# Altium PCB vme64x6U_ctrlc.PcbDoc (part 11 of 16) (continued)
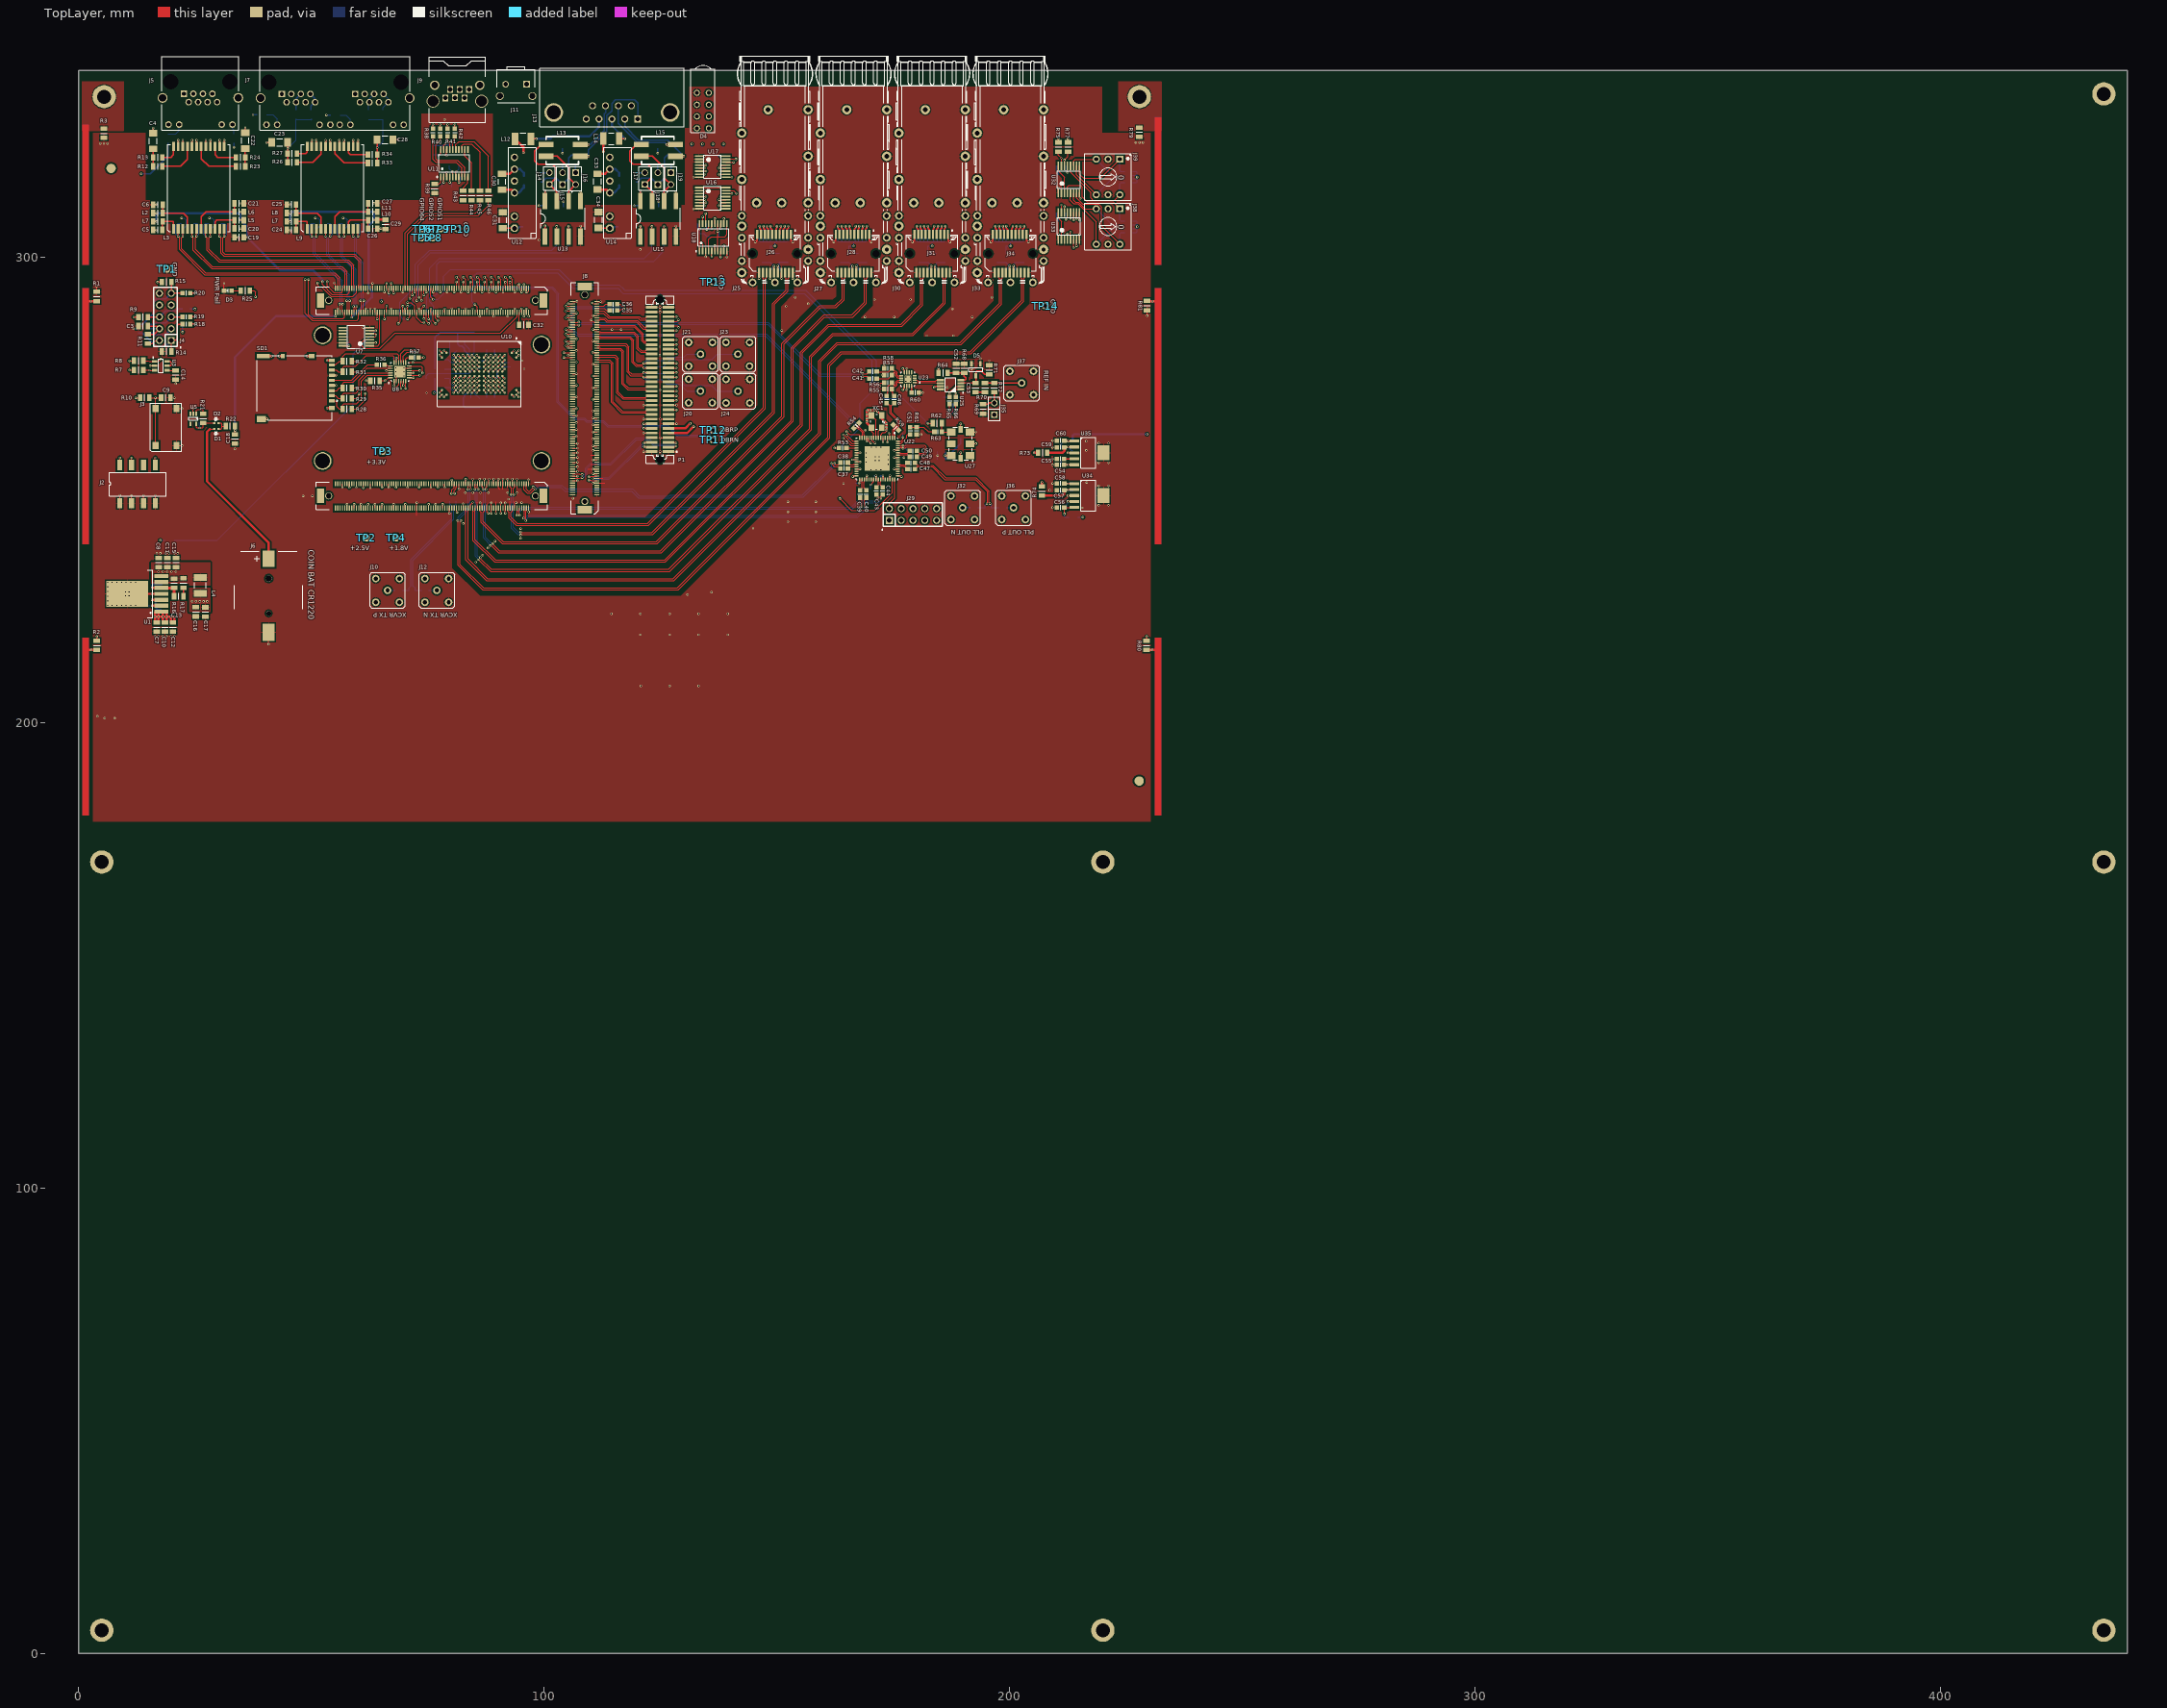
[diagram p0: TopLayer view]
## Design rules (kind name [scope] priority, off if disabled: settings) (continued)
DiffPairsRouting "Schematic Differential Pairs Routing_68" [InNet('ETH0_J2_P')] p924: maxlimit=0.254 minlimit=0.075 mostfreqgap=0.254 toplayer_minwidth=0.075 toplayer_maxwidth=0.5 toplayer_prefwidth=0.3 midlayer3_minwidth=0.075 midlayer3_maxwidth=0.5 midlayer3_prefwidth=0.3 midlayer4_minwidth=0.075 midlayer4_maxwidth=0.5 midlayer4_prefwidth=0.3 bottomlayer_minwidth=0.075 bottomlayer_maxwidth=0.5 bottomlayer_prefwidth=0.3 maxuncoupledlength=12.7
DiffPairsRouting "Schematic Differential Pairs Routing_67" [InNet('ETH0_J3_N')] p925: maxlimit=0.254 minlimit=0.075 mostfreqgap=0.254 toplayer_minwidth=0.075 toplayer_maxwidth=0.5 toplayer_prefwidth=0.3 midlayer3_minwidth=0.075 midlayer3_maxwidth=0.5 midlayer3_prefwidth=0.3 midlayer4_minwidth=0.075 midlayer4_maxwidth=0.5 midlayer4_prefwidth=0.3 bottomlayer_minwidth=0.075 bottomlayer_maxwidth=0.5 bottomlayer_prefwidth=0.3 maxuncoupledlength=12.7
DiffPairsRouting "Schematic Differential Pairs Routing_66" [InNet('ETH0_J3_P')] p926: maxlimit=0.254 minlimit=0.075 mostfreqgap=0.254 toplayer_minwidth=0.075 toplayer_maxwidth=0.5 toplayer_prefwidth=0.3 midlayer3_minwidth=0.075 midlayer3_maxwidth=0.5 midlayer3_prefwidth=0.3 midlayer4_minwidth=0.075 midlayer4_maxwidth=0.5 midlayer4_prefwidth=0.3 bottomlayer_minwidth=0.075 bottomlayer_maxwidth=0.5 bottomlayer_prefwidth=0.3 maxuncoupledlength=12.7
DiffPairsRouting "Schematic Differential Pairs Routing_65" [InNet('ETH0_J4_N')] p927: maxlimit=0.254 minlimit=0.075 mostfreqgap=0.254 toplayer_minwidth=0.075 toplayer_maxwidth=0.5 toplayer_prefwidth=0.3 midlayer3_minwidth=0.075 midlayer3_maxwidth=0.5 midlayer3_prefwidth=0.3 midlayer4_minwidth=0.075 midlayer4_maxwidth=0.5 midlayer4_prefwidth=0.3 bottomlayer_minwidth=0.075 bottomlayer_maxwidth=0.5 bottomlayer_prefwidth=0.3 maxuncoupledlength=12.7
DiffPairsRouting "Schematic Differential Pairs Routing_64" [InNet('ETH0_J4_P')] p928: maxlimit=0.254 minlimit=0.075 mostfreqgap=0.254 toplayer_minwidth=0.075 toplayer_maxwidth=0.5 toplayer_prefwidth=0.3 midlayer3_minwidth=0.075 midlayer3_maxwidth=0.5 midlayer3_prefwidth=0.3 midlayer4_minwidth=0.075 midlayer4_maxwidth=0.5 midlayer4_prefwidth=0.3 bottomlayer_minwidth=0.075 bottomlayer_maxwidth=0.5 bottomlayer_prefwidth=0.3 maxuncoupledlength=12.7
DiffPairsRouting "Schematic Differential Pairs Routing_42" [InNet('SFP_RX_0.IO_P')] p929: maxlimit=0.5 minlimit=0.075 mostfreqgap=0.254 toplayer_prefgap=0.175 toplayer_minwidth=0.075 toplayer_maxwidth=0.5 toplayer_prefwidth=0.25 midlayer3_maxgap=0.254 midlayer3_minwidth=0.075 midlayer3_maxwidth=0.5 midlayer3_prefwidth=0.25 midlayer4_maxgap=0.254 midlayer4_minwidth=0.075 midlayer4_maxwidth=0.5 midlayer4_prefwidth=0.25 bottomlayer_prefgap=0.175 bottomlayer_minwidth=0.075 bottomlayer_maxwidth=0.5 bottomlayer_prefwidth=0.25 maxuncoupledlength=12.7
DiffPairsRouting "Schematic Differential Pairs Routing_7" [InNet('GTP_REF0.IO_N')] p930: maxlimit=0.5 minlimit=0.075 mostfreqgap=0.4 toplayer_minwidth=0.075 toplayer_maxwidth=0.5 toplayer_prefwidth=0.3 midlayer3_maxgap=0.254 midlayer3_prefgap=0.254 midlayer3_minwidth=0.075 midlayer3_maxwidth=0.5 midlayer3_prefwidth=0.3 midlayer4_maxgap=0.254 midlayer4_prefgap=0.254 midlayer4_minwidth=0.075 midlayer4_maxwidth=0.5 midlayer4_prefwidth=0.3 bottomlayer_minwidth=0.075 bottomlayer_maxwidth=0.5 bottomlayer_prefwidth=0.3 maxuncoupledlength=12.7
DiffPairsRouting "Schematic Differential Pairs Routing_6" [InNet('GTP_REF0.IO_P')] p931: maxlimit=0.5 minlimit=0.075 mostfreqgap=0.4 toplayer_minwidth=0.075 toplayer_maxwidth=0.5 toplayer_prefwidth=0.3 midlayer3_maxgap=0.254 midlayer3_prefgap=0.254 midlayer3_minwidth=0.075 midlayer3_maxwidth=0.5 midlayer3_prefwidth=0.3 midlayer4_maxgap=0.254 midlayer4_prefgap=0.254 midlayer4_minwidth=0.075 midlayer4_maxwidth=0.5 midlayer4_prefwidth=0.3 bottomlayer_minwidth=0.075 bottomlayer_maxwidth=0.5 bottomlayer_prefwidth=0.3 maxuncoupledlength=12.7
DiffPairsRouting "Schematic Differential Pairs Routing" [InNet('ZDO_P')] p932: maxlimit=0.5 minlimit=0.075 mostfreqgap=0.254 toplayer_prefgap=0.175 toplayer_minwidth=0.075 toplayer_maxwidth=0.5 toplayer_prefwidth=0.15 midlayer3_maxgap=0.254 midlayer3_minwidth=0.075 midlayer3_maxwidth=0.5 midlayer3_prefwidth=0.3 midlayer4_maxgap=0.254 midlayer4_minwidth=0.075 midlayer4_maxwidth=0.5 midlayer4_prefwidth=0.3 bottomlayer_prefgap=0.175 bottomlayer_minwidth=0.075 bottomlayer_maxwidth=0.5 bottomlayer_prefwidth=0.15 maxuncoupledlength=12.7
DiffPairsRouting [All] p933: maxlimit=0.5 minlimit=0.075 mostfreqgap=0.15 toplayer_minwidth=0.075 toplayer_maxwidth=0.5 toplayer_prefwidth=0.25 midlayer3_minwidth=0.075 midlayer3_maxwidth=0.5 midlayer3_prefwidth=0.25 midlayer4_minwidth=0.075 midlayer4_maxwidth=0.5 midlayer4_prefwidth=0.25 bottomlayer_minwidth=0.075 bottomlayer_maxwidth=0.5 bottomlayer_prefwidth=0.25 maxuncoupledlength=12.7
FabricationTestPointUsage TestPointUsage [All] p1: valid=0 allowmultiple=FALSE
FabricationTestpoint Testpoint [All] p1: side=3 testpointundercomponent=TRUE minsize=1.016 maxsize=2.54 preferedsize=1.524 minholesize=0.508 maxholesize=1.016 preferedholesize=0.813 testpointgrid=0.025 allowsidetop=TRUE allowsidebottom=TRUE usegrid=TRUE gridtolerance=0
HoleSize [All] p1: absolutevalues=TRUE maxlimit=70 minlimit=0.2 maxpercent=80.000 minpercent=20.000
MinimumSolderMaskSliver [All] p1: minsoldermaskwidth=0.1
NetAntennae NetAntennae_1 [InNetClass('EMMC_RFU')] p1: netantennaetolerance=4
NetAntennae [All] p2: netantennaetolerance=0
PlaneClearance PlaneClearance_1 [WithinRoom('U_fpga_cyc10lp')] p1: clearance=0.2
PlaneClearance [All] p2: clearance=0.25
PlaneConnect PlaneConnect_1 [isVia] p1: planeconnectstyle=Direct reliefexpansion=0.508 reliefentries=4 reliefconductorwidth=0.254 reliefairgap=0.254
PlaneConnect [All] p2: planeconnectstyle=Relief reliefexpansion=0.5 reliefentries=4 reliefconductorwidth=0.25 reliefairgap=0.15
PolygonConnect [isVia] p1: connectstyle=Direct reliefconductorwidth=0.2 reliefentries=4 polygonreliefangle="90 Angle" airgapwidth=0.254
PolygonConnect PolygonConnect_2 [InNet('GND') or InNet('CAN_GND')] p2: connectstyle=Relief reliefconductorwidth=0.25 reliefentries=4 polygonreliefangle="90 Angle" airgapwidth=0.25
PolygonConnect PolygonConnect_1 [All] p3: connectstyle=Relief reliefconductorwidth=0.25 reliefentries=4 polygonreliefangle="90 Angle" airgapwidth=0.15
RoomDefinition S_DCDC [InComponentClass('S_DCDC')] p1: confinementstyle=ConfineIn formatcopy=TRUE lockcomponents=FALSE outline -1941.551,-3228.1 2244.425,-3228.1 -1941.551,-3228.1
RoomDefinition i_DCDC [InComponentClass('i_DCDC')] p2: confinementstyle=ConfineIn formatcopy=TRUE lockcomponents=FALSE outline -1941.551,-3228.1 2244.425,-3228.1 -1941.551,-3228.1
RoomDefinition U_power_REG104GA_3V3 [InComponentClass('U_power_REG104GA_3V3')] p3: confinementstyle=ConfineIn formatcopy=TRUE lockcomponents=FALSE outline 208.475,252.725 222.05,252.725 222.05,262.05 208.475,262.05
RoomDefinition U_power_REG104GA_1V8 [InComponentClass('U_power_REG104GA_1V8')] p4: confinementstyle=ConfineIn formatcopy=TRUE lockcomponents=FALSE outline 208.523,244.75 222.05,244.75 222.05,252.725 208.523,252.725
RoomDefinition U_Si5395_CLK_GEN [InComponentClass('U_Si5395_CLK_GEN')] p5: confinementstyle=ConfineIn formatcopy=TRUE lockcomponents=FALSE outline 161.25,278.45 161.25,240.95 207.175,240.95 207.175,278.45
RoomDefinition U_SFPplusConn_3 [InComponentClass('U_SFPplusConn_3')] p6: confinementstyle=ConfineIn formatcopy=TRUE lockcomponents=FALSE outline 191.75,278.625 208.625,278.625 208.625,343.325 191.75,343.325
RoomDefinition U_SFPplusConn_2 [InComponentClass('U_SFPplusConn_2')] p7: confinementstyle=ConfineIn formatcopy=TRUE lockcomponents=FALSE outline 174.875,278.625 191.75,278.625 191.75,343.325 174.875,343.325
RoomDefinition U_SFPplusConn_1 [InComponentClass('U_SFPplusConn_1')] p8: confinementstyle=ConfineIn formatcopy=TRUE lockcomponents=FALSE outline 158,278.425 174.875,278.425 174.875,343.325 158,343.325
RoomDefinition U_SFPplusConn_0 [InComponentClass('U_SFPplusConn_0')] p9: confinementstyle=ConfineIn formatcopy=TRUE lockcomponents=FALSE outline 141.125,278.425 158,278.425 158,343.325 141.125,343.325
RoomDefinition U_Power_3V3_LDO [InComponentClass('U_Power_3V3_LDO')] p10: confinementstyle=ConfineIn formatcopy=TRUE lockcomponents=FALSE outline 27.925,263.1 27.925,267.475 23.175,267.475 23.175,263.1
RoomDefinition 3V3_POWER [InComponentClass('3V3_POWER')] p11: confinementstyle=ConfineIn formatcopy=TRUE lockcomponents=FALSE outline 3.585,218.31 29.91,218.31 29.91,241.075 3.585,241.075
RoomDefinition U_can_phy2 [InComponentClass('U_can_phy2')] p12: confinementstyle=ConfineIn formatcopy=TRUE lockcomponents=FALSE outline 109.55,300.325 130.025,300.325 130.025,327.475 109.55,327.475
RoomDefinition U_can_phy1 [InComponentClass('U_can_phy1')] p13: confinementstyle=ConfineIn formatcopy=TRUE lockcomponents=FALSE outline 89.075,300.325 109.55,300.325 109.55,327.475 89.075,327.475
RoomDefinition U_sdcard_emmc [InComponentClass('U_sdcard_emmc')] p14: confinementstyle=ConfineIn formatcopy=TRUE lockcomponents=FALSE outline 37.825,264.3 96.45,264.3 96.45,284.1 37.825,284.1
RoomDefinition U_uart_adm3222 [InComponentClass('U_uart_adm3222')] p15: confinementstyle=ConfineIn formatcopy=TRUE lockcomponents=FALSE outline 74.035,310.81 89.125,310.81 89.125,343.435 74.035,343.435
RoomDefinition U_ethernet_dual_100mbe_ext_magn [InComponentClass('U_ethernet_dual_100mbe_ext_magn')] p16: confinementstyle=ConfineIn formatcopy=TRUE lockcomponents=FALSE outline 37.21,302.435 72.985,302.435 72.985,344.41 37.21,344.41
RoomDefinition U_ethernet_1gbe_ext_magn [InComponentClass('U_ethernet_1gbe_ext_magn')] p17: confinementstyle=ConfineIn formatcopy=TRUE lockcomponents=FALSE outline 14.635,302.56 37.16,302.56 37.16,344.41 14.635,344.41
RoutingCorners [All] p1: cornerstyle=45-Degree minsetback=0.5 maxsetback=0.5
RoutingVias RoutingVias_2 [WithinRoom('U_fpga_cyc10lp')] p1: holewidth=0.2 width=0.4 viastyle="Through Hole" minholewidth=0.2 minwidth=0.4 maxholewidth=1 maxwidth=1.2
RoutingVias [All] p2 off: holewidth=0.711 width=1.27 viastyle="Through Hole" minholewidth=0.711 minwidth=1.27 maxholewidth=0.711 maxwidth=1.27
RoutingVias RoutingVias_1 [All] p3: holewidth=0.4 width=0.8 viastyle="Through Hole" minholewidth=0.1 minwidth=0.2 maxholewidth=70 maxwidth=100
SilkToSilkClearance [All] p1: silktosilkclearance=0
SilkToSolderMaskClearance SilkscreenOverComponentPads [IsPad] p1: minsilkscreentomaskgap=0.05 clearancetoexposedcopper=TRUE
SolderMaskExpansion [All] p1: expansion=0.05
Width Width_2 [WithinRoom('U_fpga_cyc10lp')] p1: maxlimit=1 minlimit=0.1 preferedwidth=0.1
Width [All] p2 off: maxlimit=0.254 minlimit=0.254 preferedwidth=0.254
Width Width_1 [All] p3: maxlimit=5 minlimit=0.15 preferedwidth=0.3
18 further rules are at their usual default settings.

## Classes and differential pairs
channel class DCP: DCP_D+ DCP_D- DCP_H- DCP_i+ DCP_i- DCP_S+ DCP_S-
net class IO_DDS[24..1]: IO_DDS1 IO_DDS2 IO_DDS3 IO_DDS4 IO_DDS5 IO_DDS6 IO_DDS7 IO_DDS8 IO_DDS9 IO_DDS10 IO_DDS11 IO_DDS12 IO_DDS13 IO_DDS14 IO_DDS15 IO_DDS16 IO_DDS17 IO_DDS18 IO_DDS19 IO_DDS20 IO_DDS21 IO_DDS22 IO_DDS23 IO_DDS24
net class EMMC_RFU: EMMC_RFU1 EMMC_RFU2 EMMC_RFU3 EMMC_RFU4 EMMC_RFU5 EMMC_RFU6 EMMC_RFU7 EMMC_RFU8 EMMC_RFU9 EMMC_RFU10 EMMC_RFU11 EMMC_RFU12 EMMC_RFU13 EMMC_RFU14 EMMC_RFU15 EMMC_RFU16 EMMC_RFU17 EMMC_RFU18 EMMC_RFU19 EMMC_RFU20 EMMC_RFU21 EMMC_RFU22 EMMC_RFU23 EMMC_RFU24 EMMC_RFU25 EMMC_RFU26 EMMC_RFU27 EMMC_RFU28 EMMC_RFU29 EMMC_RFU30 EMMC_RFU31 EMMC_RFU32 EMMC_RFU33 EMMC_RFU34 EMMC_RFU35 EMMC_RFU36 EMMC_RFU37 EMMC_RFU38 EMMC_RFU39 EMMC_RFU40 EMMC_RFU41 EMMC_RFU42 EMMC_RFU43 EMMC_RFU44 EMMC_RFU45 EMMC_RFU46 EMMC_RFU47 EMMC_RFU48 EMMC_RFU49 EMMC_RFU50 EMMC_RFU51 EMMC_RFU52 EMMC_RFU53 EMMC_RFU54 SDEPAD1 SDEPAD2 SDEPAD3 SDEPAD4 SDEPAD5 SDEPAD6
component class U_power_REG104GA_3V3: C71 C72 U35
component class U_power_REG104GA_1V8: C70 C75 C77 R91 R96 U34
component class U_Si5395_CLK_GEN: C103 C104 C106 C107 C114 C115 C116 C118 C119 C121 C123 C124 C126 C128 C131 C132 C133 C135 C137 C138 C139 D5 R55 R61 R62 R63 R64 R65 R66 R68 R69 R70 R71 R72 R73 R74 R90 R95 R108 R112 R115 R116 R118 R119 R120 R122 R124 R127 R130 R132 U22 U23 U25 U27 XC1
channel class SFPplusConn: U_SFPplusConn_0 U_SFPplusConn_1 U_SFPplusConn_2 U_SFPplusConn_3
component class U_SFPplusConn_3: C85 C86 C89 C90 C92 R105 R109
component class U_SFPplusConn_2: C101 C105 C110 C111 C113 J30 J31 R126 R128
component class U_SFPplusConn_1: C130 C134 C140 C141 C144 J27 J28 R133 R134
component class U_SFPplusConn_0: C150 C152 C155 C156 C158 J25 J26 L22 L23 R136 R138
component class U_Power_3V3_LDO: R21
component class main: C78 C80 C162 C163 C164 C185 C188 C199 D1 D2 D3 D4 J2 J3 J6 J10 J11 J12 J13 J20 J21 J23 J24 P1 R3 R22 R75 R77 R79 R80 R81 R84 R85 R93 R94 R139 R140 R141 R142 R143 R144 R145 R146 R149 R150 R151 R152 R159 R160 R161 R162 TP1 TP2 TP3 TP4 TP5 TP6 TP7 TP8 TP9 TP10 TP11 TP12 TP13 TP14 U7 U18 U32 U33
channel class can_phy: U_can_phy1 U_can_phy2
component class U_can_phy2: C165 C166 C167 C168 C169 J17 J18 J19 L14 L15 R147 R148 R153 R154 U38
component class U_can_phy1: C170 C171 C172 C173 C174 J14 J15 J16 L12 L13 R155 R156 R157 R158 U39
net class PowerLines: VD_TMP
component class 3V3_POWER: L4 R16
component class U_sdcard_emmc: C175 C176 C177 C178 C179 C180 C182 C183 C197 C198 C200 R29 R32 R35 R36 R163 R164 R165 R166 R167 R169 R170 R171 R172 R175 SD1 U10
component class U_jtag: R20 R177
component class U_uart_adm3222: C181 C184 C186 C187 C190 J9 R42 R43 R46 R174
component class U_ethernet_dual_100mbe_ext_magn: J7 L7 L8 L9 L10 L11 R26 R33 R34 R178 R179 R180 U41
net class IO_AR[22..1]: IO_AR1 IO_AR2 IO_AR3 IO_AR4 IO_AR5 IO_AR6 IO_AR7 IO_AR8 IO_AR9 IO_AR10 IO_AR11 IO_AR12 IO_AR13 IO_AR14 IO_AR15 IO_AR16 IO_AR17 IO_AR18 IO_AR19 IO_AR20 IO_AR21 IO_AR22
net class IO_AL[22..1]: IO_AL1 IO_AL2 IO_AL3 IO_AL4 IO_AL5 IO_AL6 IO_AL7 IO_AL8 IO_AL9 IO_AL10 IO_AL11 IO_AL12 IO_AL13 IO_AL14 IO_AL15 IO_AL16 IO_AL17 IO_AL18 IO_AL19 IO_AL20 IO_AL21 IO_AL22 IO_AL25
component class U_ethernet_1gbe_ext_magn: L2 L3 L5 L6 L7 R23 R24
net class IO_CR[40..1]: IO_CR1 IO_CR2 IO_CR3 IO_CR4 IO_CR5 IO_CR6 IO_CR7 IO_CR8 IO_CR9 IO_CR10 IO_CR11 IO_CR12 IO_CR13 IO_CR14 IO_CR15 IO_CR16 IO_CR17 IO_CR18 IO_CR19 IO_CR20 IO_CR21 IO_CR22 IO_CR23 IO_CR24 IO_CR25 IO_CR26 IO_CR27 IO_CR28 IO_CR29 IO_CR30 IO_CR31 IO_CR32 IO_CR33 IO_CR34 IO_CR35 IO_CR36 IO_CR37 IO_CR38 IO_CR39 IO_CR40
net class IO_CL[40..1]: IO_CL1 IO_CL2 IO_CL3 IO_CL4 IO_CL5 IO_CL6 IO_CL7 IO_CL8 IO_CL9 IO_CL10 IO_CL11 IO_CL12 IO_CL13 IO_CL14 IO_CL15 IO_CL16 IO_CL17 IO_CL18 IO_CL19 IO_CL20 IO_CL21 IO_CL22 IO_CL23 IO_CL24 IO_CL25 IO_CL26 IO_CL27 IO_CL28 IO_CL29 IO_CL30 IO_CL31 IO_CL32 IO_CL33 IO_CL34 IO_CL35 IO_CL36 IO_CL37 IO_CL38 IO_CL39 IO_CL40
net class IO_CR_FX[16..1]: IO_CR_FX1 IO_CR_FX2 IO_CR_FX3 IO_CR_FX4 IO_CR_FX5 IO_CR_FX6 IO_CR_FX7 IO_CR_FX8 IO_CR_FX9 IO_CR_FX10 IO_CR_FX11 IO_CR_FX12 IO_CR_FX13 IO_CR_FX14 IO_CR_FX15 IO_CR_FX16
net class IO_CL_FX[16..1]: IO_CL_FX1 IO_CL_FX2 IO_CL_FX3 IO_CL_FX4 IO_CL_FX5 IO_CL_FX6 IO_CL_FX7 IO_CL_FX8 IO_CL_FX9 IO_CL_FX10 IO_CL_FX11 IO_CL_FX12 IO_CL_FX13 IO_CL_FX14 IO_CL_FX15 IO_CL_FX16
net class IO_BR[36..1]: IO_BR1 IO_BR2 IO_BR3 IO_BR4 IO_BR5 IO_BR6 IO_BR7 IO_BR8 IO_BR9 IO_BR10 IO_BR11 IO_BR12 IO_BR13 IO_BR14 IO_BR15 IO_BR16 IO_BR17 IO_BR18 IO_BR19 IO_BR20 IO_BR21 IO_BR22 IO_BR23 IO_BR24 IO_BR25 IO_BR26 IO_BR27 IO_BR28 IO_BR29 IO_BR30 IO_BR31 IO_BR32 IO_BR33 IO_BR34 IO_BR35 IO_BR36
net class IO_BL[38..1]: IO_BL1 IO_BL2 IO_BL3 IO_BL4 IO_BL5 IO_BL6 IO_BL7 IO_BL8 IO_BL9 IO_BL10 IO_BL11 IO_BL12 IO_BL13 IO_BL14 IO_BL15 IO_BL16 IO_BL17 IO_BL18 IO_BL19 IO_BL20 IO_BL21 IO_BL22 IO_BL23 IO_BL24 IO_BL25 IO_BL26 IO_BL27 IO_BL28 IO_BL29 IO_BL30 IO_BL31 IO_BL32 IO_BL33 IO_BL34 IO_BL35 IO_BL36 IO_BL37 IO_BL38
net class BOOT_MODE[1..0]: BOOT_MODE0 BOOT_MODE1
component class U_cyc_v_som_A: J8 R176
differential pair DDS_CLK: +DDS_CLK_P -DDS_CLK_N
differential pair C_TEST: +C_TEST_P -C_TEST_N
differential pair C_REF: +C_REF_P -C_REF_N
differential pair IN2: +IN2_P -IN2_N
differential pair MGT_TX8.IO: +MGT_TX8.IO_P -MGT_TX8.IO_N
differential pair MGT_RX8.IO: +MGT_RX8.IO_P -MGT_RX8.IO_N
differential pair QBR: +QBR_P -QBR_N
differential pair Q9: +Q9_P -Q9_N
differential pair OUT9: +OUT9_P -OUT9_N
differential pair MGT_TX6: +MGT_TX6_P -MGT_TX6_N
differential pair TX_LEMO: +TX_LEMO_P -TX_LEMO_N
differential pair AQ1: +AQ1_P -AQ1_N
differential pair GTP_REF2.IO: +GTP_REF2.IO_P -GTP_REF2.IO_N
differential pair GTP_REF1.IO: +GTP_REF1.IO_P -GTP_REF1.IO_N
differential pair GTP_REF0.IO: +GTP_REF0.IO_P -GTP_REF0.IO_N
differential pair ZDIN: +ZDIN_P -ZDIN_N
differential pair OUT6: +OUT6_P -OUT6_N
differential pair OUT4: +OUT4_P -OUT4_N
differential pair OUT2: +OUT2_P -OUT2_N
differential pair IN1: +IN1_P -IN1_N
differential pair FPLLIN: +FPLLIN_P -FPLLIN_N
differential pair ZDO: +ZDO_P -ZDO_N
differential pair CMP_CLK: +CMP_CLK_P -CMP_CLK_N
differential pair SFP_TX_0.IO: +SFP_TX_0.IO_P -SFP_TX_0.IO_N
differential pair SFP_RX_0.IO: +SFP_RX_0.IO_P -SFP_RX_0.IO_N
differential pair SFP_TX_3.IO: +SFP_TX_3.IO_P -SFP_TX_3.IO_N
differential pair SFP_TX_2.IO: +SFP_TX_2.IO_P -SFP_TX_2.IO_N
differential pair SFP_TX_1.IO: +SFP_TX_1.IO_P -SFP_TX_1.IO_N
differential pair SFP_RX_3.IO: +SFP_RX_3.IO_P -SFP_RX_3.IO_N
differential pair SFP_RX_2.IO: +SFP_RX_2.IO_P -SFP_RX_2.IO_N
differential pair SFP_RX_1.IO: +SFP_RX_1.IO_P -SFP_RX_1.IO_N
differential pair ETH0_J3: +ETH0_J3_P -ETH0_J3_N
differential pair ETH0_J2: +ETH0_J2_P -ETH0_J2_N
differential pair ETH0_J4: +ETH0_J4_P -ETH0_J4_N
differential pair ETH0_J1: +ETH0_J1_P -ETH0_J1_N
differential pair ETH1B_TX: +ETH1B_TX_P -ETH1B_TX_N
differential pair ETH1B_RX: +ETH1B_RX_P -ETH1B_RX_N
differential pair ETH1A_TX: +ETH1A_TX_P -ETH1A_TX_N
differential pair ETH1A_RX: +ETH1A_RX_P -ETH1A_RX_N
differential pair ETH0_D: +ETH0_D_P -ETH0_D_N
differential pair ETH0_C: +ETH0_C_P -ETH0_C_N
differential pair ETH0_B: +ETH0_B_P -ETH0_B_N
differential pair ETH0_A: +ETH0_A_P -ETH0_A_N

## Components (designator, comment, footprint, x,y, rotation, side; value= is the part's Value field where it differs from the comment)
C3 "0.1uF" CAPC2012N 13.875,285.125 r0 top locked (schematic designator C81)
C4 "1nF; 2kV" CAPC3216N 16.035,324.885 r270 top locked value=1nF (schematic designator C88)
C5 "1uF" CAPC2012N 17.035,305.785 r0 top locked (schematic designator C131)
C6 "1uF" CAPC2012N 17.06,311.185 r0 top locked (schematic designator C120)
C7 "22uF" CAPC2012N 16.825,220.475 r270 top locked (schematic designator C82)
C8 "22uF" CAPC2012N 17.2,234.325 r270 top locked (schematic designator C98)
C9 "0.1uF" CAPC2012N 18.735,269.735 r0 top locked (schematic designator C119)
C10 "22uF" CAPC2012N 18.55,220.475 r270 top locked (schematic designator C83)
C11 "22uF" CAPC2012N 19.075,234.325 r270 top locked (schematic designator C96)
C12 "0.1uF" CAPC2012N 20.25,220.475 r90 top locked (schematic designator C97)
C13 "120pF" CAPC2012N 21.535,227.11 r180 top locked (schematic designator C100)
C14 "270pF" CAPC2012N 20.85,274.625 r270 top locked (schematic designator C117)
C15 "0.1uF" CAPC2012N 20.95,234.325 r90 top locked (schematic designator C87)
C16 "22uF" CAPC2012N 25.2,223.75 r90 top locked (schematic designator C102)
C17 "22uF" CAPC2012N 27.25,223.725 r90 top locked (schematic designator C103)
C18 "22uF" CAPC2012N 33.61,260.885 r90 top locked (schematic designator C132)
C19 "1uF" CAPC2012N 34.51,304.185 r0 top locked (schematic designator C71)
C20 "1uF" CAPC2012N 34.51,306.085 r180 top locked (schematic designator C90)
C21 "1uF" CAPC2012N 34.51,311.485 r180 top locked (schematic designator C91)
C22 "1nF; 2kV" CAPC3216N 35.81,324.935 r270 top locked value=1nF (schematic designator C89)
C23 "1nF; 2kV" CAPC3216N 43.2,324.575 r180 top locked value=1nF (schematic designator C111)
C24 "1uF" CAPC2012N 45.75,305.775 r0 top locked (schematic designator C116)
C25 "1uF" CAPC2012N 45.75,311.2 r0 top locked (schematic designator C115)
C26 "1uF" CAPC2012N 63.2,306.075 r180 top locked (schematic designator C113)
C27 "1uF" CAPC2012N 63.2,311.5 r180 top locked (schematic designator C114)
C28 "1nF; 2kV" CAPC3216N 65.835,325.185 r180 top locked value=1nF (schematic designator C118)
C29 "1uF" CAPC2012N 65.9,306.975 r90 top locked (schematic designator C92)
C30 "47uF" CAPC3216N 90.95,316.125 r90 top locked (schematic designator C108)
C31 "47uF" CAPC3216N 91.15,307.875 r270 top locked (schematic designator C110)
C32 "DNP" CAPC2012N 95.66,285.41 r180 top locked (schematic designator C127)
C33 "47uF" CAPC3216N 111.45,316.15 r90 top locked (schematic designator C108)
C34 "47uF" CAPC3216N 111.675,307.9 r270 top locked (schematic designator C110)
C35 "100nF" CAPC1608N 114.9,288.475 r0 top locked (schematic designator C186)
C36 "100nF" CAPC1608N 114.9,289.8 r0 top locked (schematic designator C187)
C37 "100nF" CAPC1608N 164.425,254.525 r180 top locked (schematic designator C200)
C38 "100nF" CAPC1608N 164.425,255.8 r180 top locked (schematic designator C201)
C39 "100nF" CAPC1608N 167.875,249.075 r270 top locked (schematic designator C197)
C40 "100nF" CAPC1608N 169.2,249.075 r270 top locked (schematic designator C196)
C41 "100nF" CAPC1608N 170.625,273.825 r180 top locked (schematic designator C193)
C42 "100nF" CAPC1608N 170.625,275.375 r180 top locked (schematic designator C195)
C43 "100nF" CAPC1608N 171.35,249.725 r270 top locked (schematic designator C199)
C44 "100nF" CAPC1608N 172.7,249.725 r270 top locked (schematic designator C198)
C45 "100nF" CAPC1608N 173.575,269.35 r270 top locked (schematic designator C185)
C46 "100nF" CAPC1608N 175.2,269.35 r270 top locked (schematic designator C184)
C47 "100nF" CAPC1608N 178.85,254.4 r0 top locked (schematic designator C191)
C48 "100nF" CAPC1608N 178.85,255.725 r0 top locked (schematic designator C192)
C49 "100nF" CAPC1608N 179.275,257.05 r0 top locked (schematic designator C181)
C50 "100nF" CAPC1608N 179.275,258.3 r0 top locked (schematic designator C180)
C51 "100nF" CAPC1608N 178.625,262.625 r270 top locked (schematic designator C182)
C52 "0.1uF" CAPC2012N 188.5,276.05 r90 top locked (schematic designator C161)
C53 "1nF" CAPC2012N 192.675,271.9 r270 top locked (schematic designator C160)
C54 "100nF" CAPC1608N 210.9,255.3 r180 top locked (schematic designator C154)
C55 "10nF" CAPC1608N 210.9,256.6 r0 top locked (schematic designator C158)
C56 "100nF" CAPC1608N 210.923,246.15 r180 top locked (schematic designator C145)
C57 "100nF" CAPC1608N 210.923,249.875 r180 top locked (schematic designator C152)
C58 "100nF" CAPC1608N 210.923,251.325 r0 top locked (schematic designator C151)
C59 "100nF" CAPC1608N 210.925,259.075 r180 top locked (schematic designator C153)
C60 "100nF" CAPC1608N 210.925,260.525 r0 top locked (schematic designator C157)
C70 "22uF" CAPC2012N 214.625,251.55 r180 bottom locked (schematic designator C148)
C71 "1uF" CAPC2012N 214.525,258.408 r180 bottom locked (schematic designator C155)
C72 "22uF" CAPC2012N 214.525,260.408 r180 bottom locked (schematic designator C156)
C75 "1uF" CAPC2012N 213.673,248.75 r90 bottom locked (schematic designator C147)
C77 "10nF" CAPC1608N 211.523,248.75 r90 bottom locked (schematic designator C146)
C78 "0.1uF" CAPC2012N 210.45,316.625 r270 bottom locked (schematic designator C144)
C80 "0.1uF" CAPC2012N 210.45,306.575 r270 bottom locked (schematic designator C143)
C85 "22uF" CAPC2012N 203.055,299.825 r270 bottom locked (schematic designator C139)
C86 "100nF" CAPC1608N 202.125,297.1 r180 bottom locked (schematic designator C140)
C89 "100nF" CAPC1608N 198.675,297.125 r0 bottom locked (schematic designator C138)
C90 "100nF" CAPC1608N 198.45,302.275 r0 bottom locked (schematic designator C136)
C92 "22uF" CAPC2012N 197.355,299.8 r270 bottom locked (schematic designator C137)
C101 "22uF" CAPC2012N 186.18,299.825 r270 bottom locked (schematic designator C139)
C103 "100nF" CAPC1608N 185.375,256.45 r180 bottom locked (schematic designator C165)
C104 "100nF" CAPC1608N 185.325,258.15 r180 bottom locked (schematic designator C164)
C105 "100nF" CAPC1608N 185.25,297.1 r180 bottom locked (schematic designator C140)
C106 "100nF" CAPC1608N 185.025,271.275 r0 bottom locked (schematic designator C163)
C107 "100nF" CAPC1608N 185.025,272.6 r0 bottom locked (schematic designator C162)
C110 "100nF" CAPC1608N 181.8,297.125 r0 bottom locked (schematic designator C138)
C111 "100nF" CAPC1608N 181.5,302.3 r0 bottom locked (schematic designator C136)
C113 "22uF" CAPC2012N 180.48,299.8 r270 bottom locked (schematic designator C137)
C114 "100nF" CAPC1608N 177.9,262.175 r180 bottom locked (schematic designator C183)
C115 "100nF" CAPC1608N 177.55,271.45 r180 bottom locked (schematic designator C189)
C116 "100nF" CAPC1608N 177.5,276.025 r180 bottom locked (schematic designator C188)
C118 "100nF" CAPC1608N 176.225,256.925 r180 bottom locked (schematic designator C178)
C119 "100nF" CAPC1608N 176.2,254.425 r180 bottom locked (schematic designator C177)
C121 "100nF" CAPC1608N 176.725,252.2 r90 bottom locked (schematic designator C176)
C123 "100nF" CAPC1608N 174.6,258.425 r0 bottom locked (schematic designator C171)
C124 "100nF" CAPC1608N 173.925,253.625 r270 bottom locked (schematic designator C169)
C126 "100nF" CAPC1608N 172.425,253.6 r270 bottom locked (schematic designator C168)
C128 "100nF" CAPC1608N 171.075,253.625 r270 bottom locked (schematic designator C167)
C130 "22uF" CAPC2012N 169.305,299.825 r270 bottom locked (schematic designator C139)
C131 "100nF" CAPC1608N 169.275,253.625 r270 bottom locked (schematic designator C166)
C132 "100nF" CAPC1608N 168.425,255.925 r180 bottom locked (schematic designator C174)
C133 "100nF" CAPC1608N 168.425,257.925 r180 bottom locked (schematic designator C175)
C134 "100nF" CAPC1608N 168.375,297.1 r180 bottom locked (schematic designator C140)
C135 "100nF" CAPC1608N 169.05,261.025 r270 bottom locked (schematic designator C179)
C137 "100nF" CAPC1608N 166.05,251.4 r0 bottom locked (schematic designator C172)
C138 "100nF" CAPC1608N 166.05,254.425 r0 bottom locked (schematic designator C173)
C139 "100nF" CAPC1608N 165.675,252.975 r0 bottom locked (schematic designator C170)
C140 "100nF" CAPC1608N 164.925,297.125 r0 bottom locked (schematic designator C138)
C141 "100nF" CAPC1608N 164.625,302.3 r0 bottom locked (schematic designator C136)
C144 "22uF" CAPC2012N 163.605,299.8 r270 bottom locked (schematic designator C137)
C150 "22uF" CAPC2012N 152.425,299.825 r270 bottom locked (schematic designator C139)
C152 "100nF" CAPC1608N 151.5,297.1 r180 bottom locked (schematic designator C140)
C155 "100nF" CAPC1608N 148.05,297.125 r0 bottom locked (schematic designator C138)
C156 "100nF" CAPC1608N 147.75,302.3 r0 bottom locked (schematic designator C136)
C158 "22uF" CAPC2012N 146.775,299.825 r270 bottom locked (schematic designator C137)
C162 "0.1uF" CAPC2012N 136.2,314.875 r180 bottom locked (schematic designator C142)
C163 "0.1uF" CAPC2012N 136.2,321.675 r180 bottom locked (schematic designator C141)
C164 "0.1uF" CAPC2012N 133.4,304 r270 bottom locked (schematic designator C135)
C165 "1nF; 2kV" CAPC3216N 124.425,321.625 r270 bottom locked value=1nF (schematic designator C104)
C166 "0.1uF" CAPC2012N 120.675,312 r90 bottom locked (schematic designator C107)
C167 "0.1uF" CAPC2012N 120.65,304.45 r90 bottom locked (schematic designator C106)
C168 "0.1uF" CAPC2012N 116.2,316.375 r90 bottom locked (schematic designator C105)
C169 "0.1uF" CAPC2012N 115.925,307.425 r270 bottom locked (schematic designator C109)
C170 "1nF; 2kV" CAPC3216N 103.95,321.625 r270 bottom locked value=1nF (schematic designator C104)
C171 "0.1uF" CAPC2012N 100.2,312 r90 bottom locked (schematic designator C107)
C172 "0.1uF" CAPC2012N 100.175,304.625 r90 bottom locked (schematic designator C106)
C173 "0.1uF" CAPC2012N 95.65,316.4 r90 bottom locked (schematic designator C105)
C174 "0.1uF" CAPC2012N 95.45,307.425 r270 bottom locked (schematic designator C109)
C175 "1uF" CAPC2012N 93.7,275.95 r180 bottom locked (schematic designator C123)
C176 "100nF" CAPC1608N 93.525,277.7 r0 bottom locked (schematic designator C194)
C177 "100nF" CAPC1608N 89.05,274.9 r180 bottom locked (schematic designator C125)
C178 "100nF" CAPC1608N 88.55,269.8 r180 bottom locked (schematic designator C126)
C179 "100nF" CAPC1608N 88.55,280 r180 bottom locked (schematic designator C124)
C180 "100nF" CAPC1608N 86.575,276.875 r270 bottom locked (schematic designator C130)
C181 "0.1uF" CAPC2012N 82.985,317.16 r0 bottom locked (schematic designator C77)
C182 "100nF" CAPC1608N 82.075,279.9 r180 bottom locked (schematic designator C129)
C183 "100nF" CAPC1608N 81.9,269.775 r180 bottom locked (schematic designator C149)
C184 "0.1uF" CAPC2012N 80.71,319.56 r180 bottom locked (schematic designator C79)